# Altium PCB PCB1.PcbDoc (part 1 of 2)
Units mm, origin at the board's own origin, x right, y up, seen from the top; angles counter-clockwise.
Board outline 100.71 x 88.01 mm, 2 copper layers (Top Layer, Bottom Layer); 154 components, 136 nets, 563 pads, 342 vias.
Unrouted connection lines stored in the file: 128.
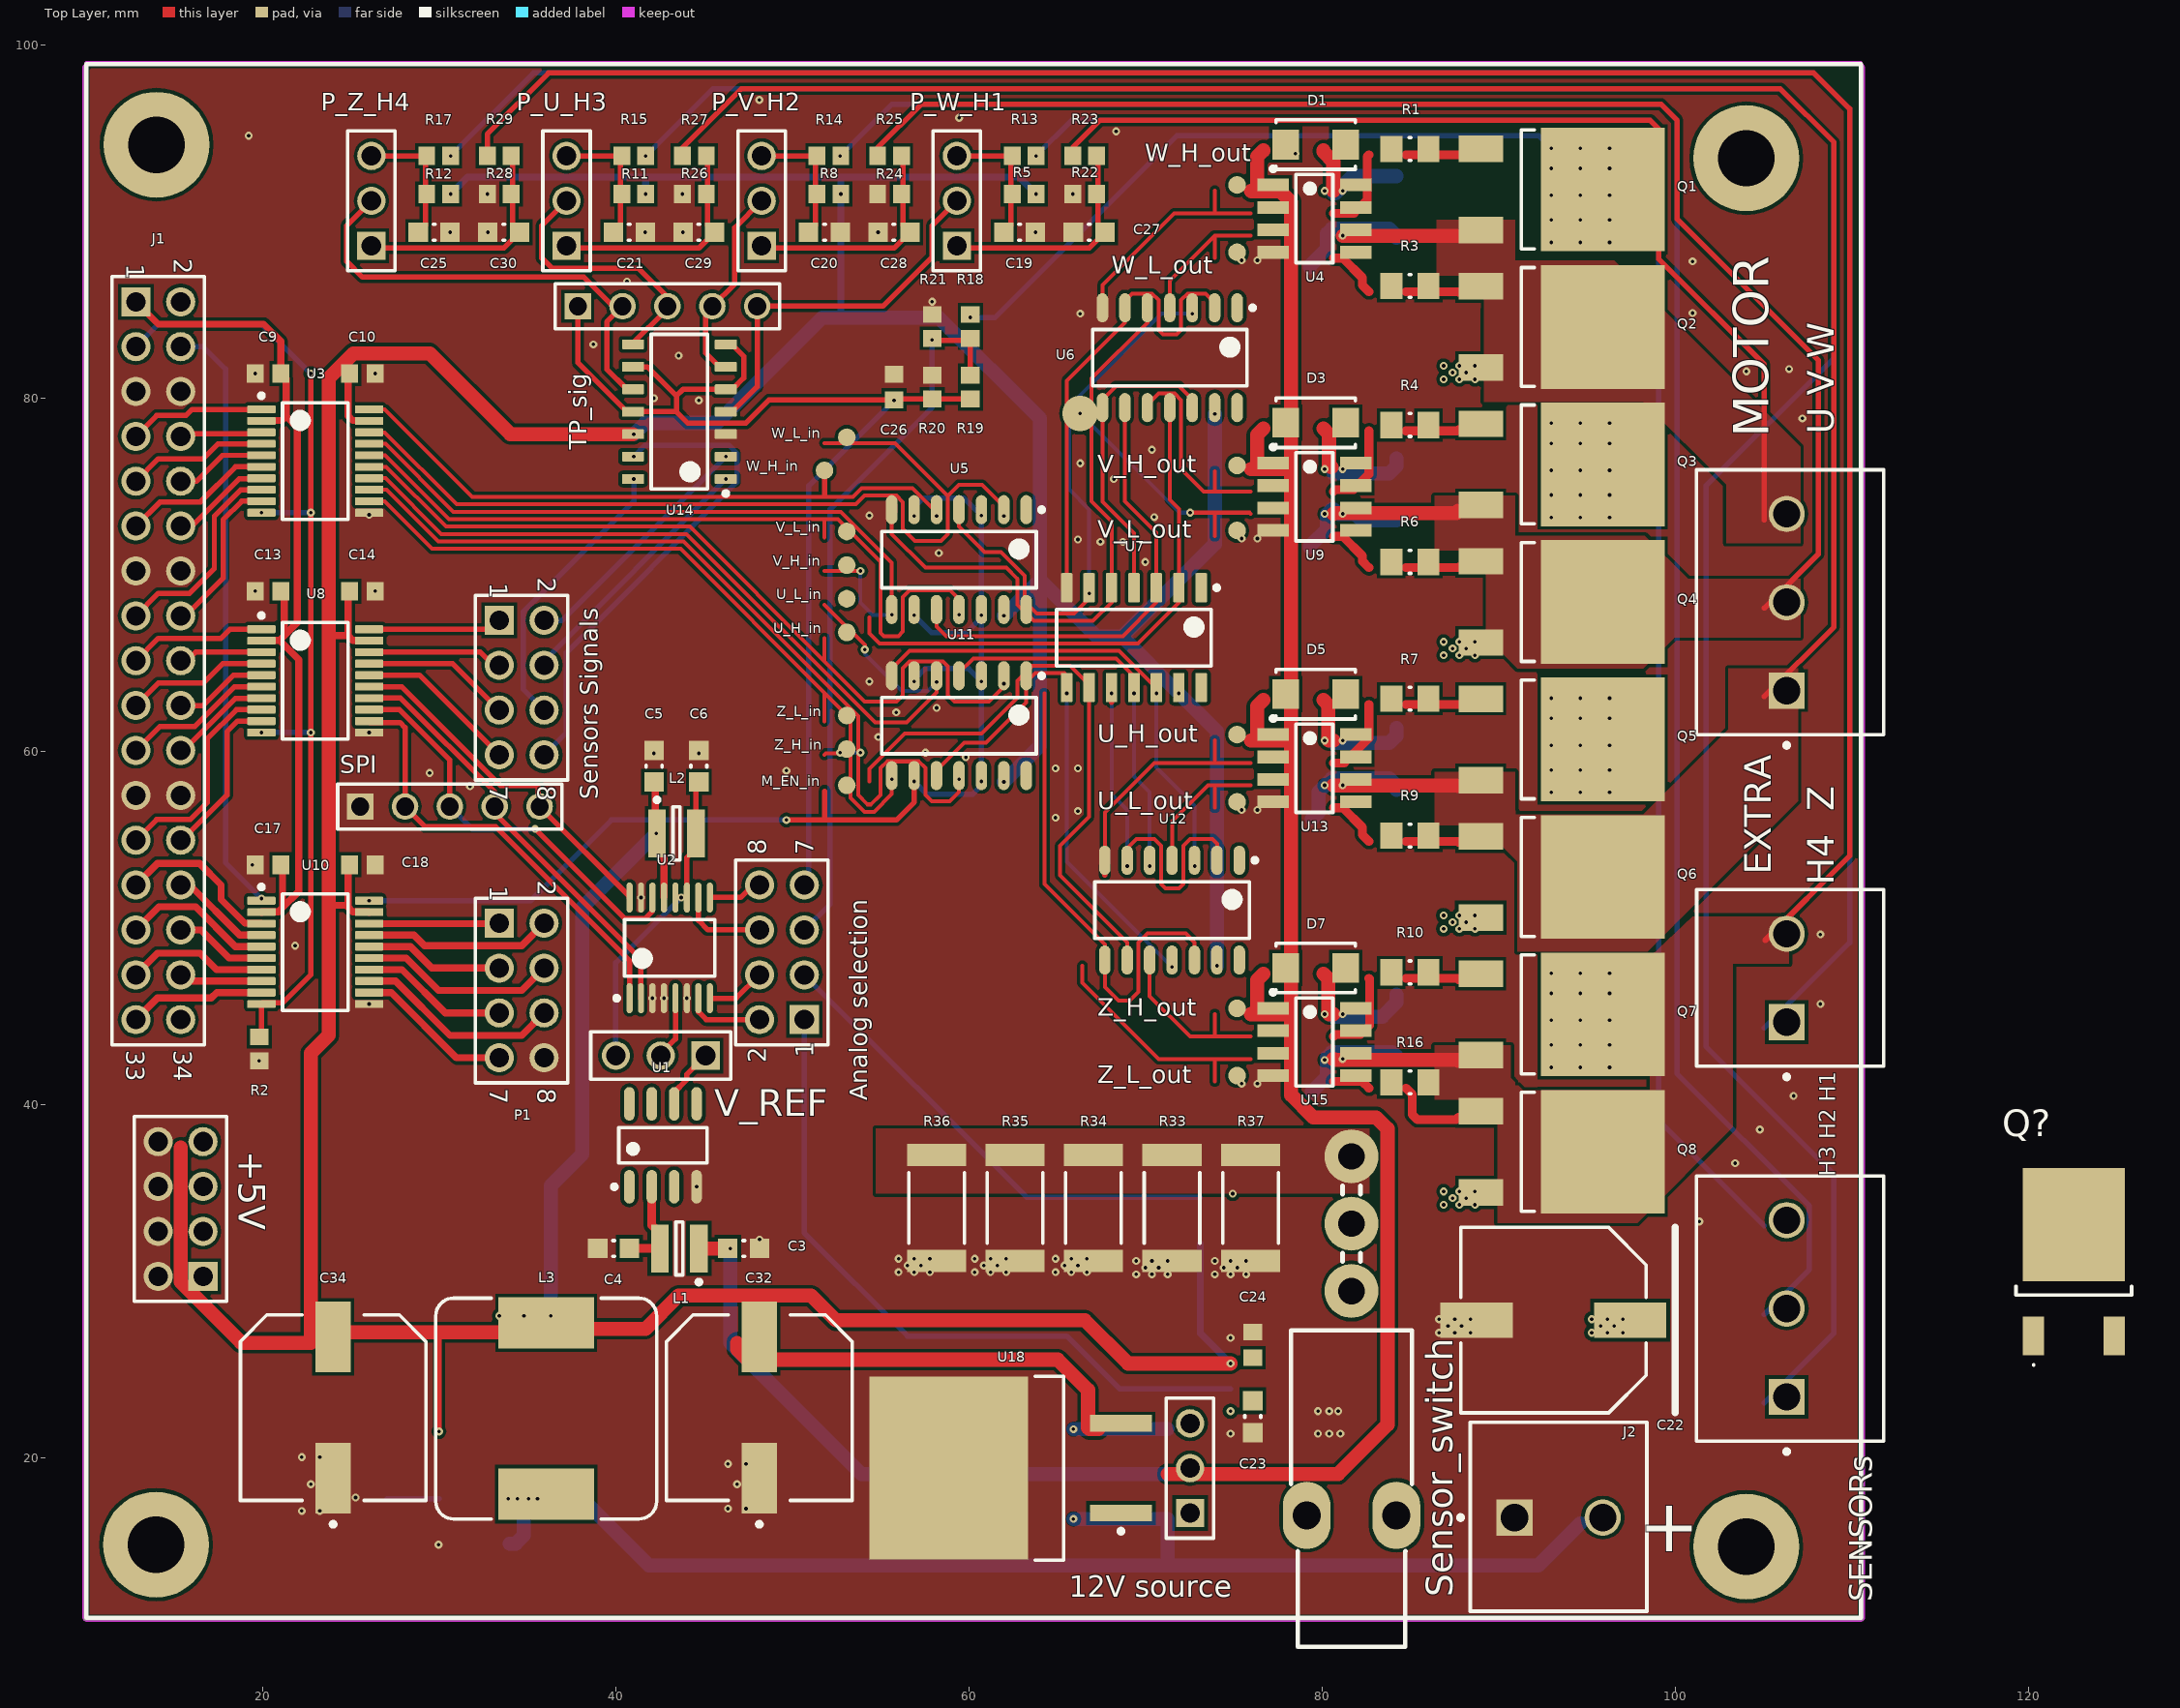
[diagram p0: Top Layer view]
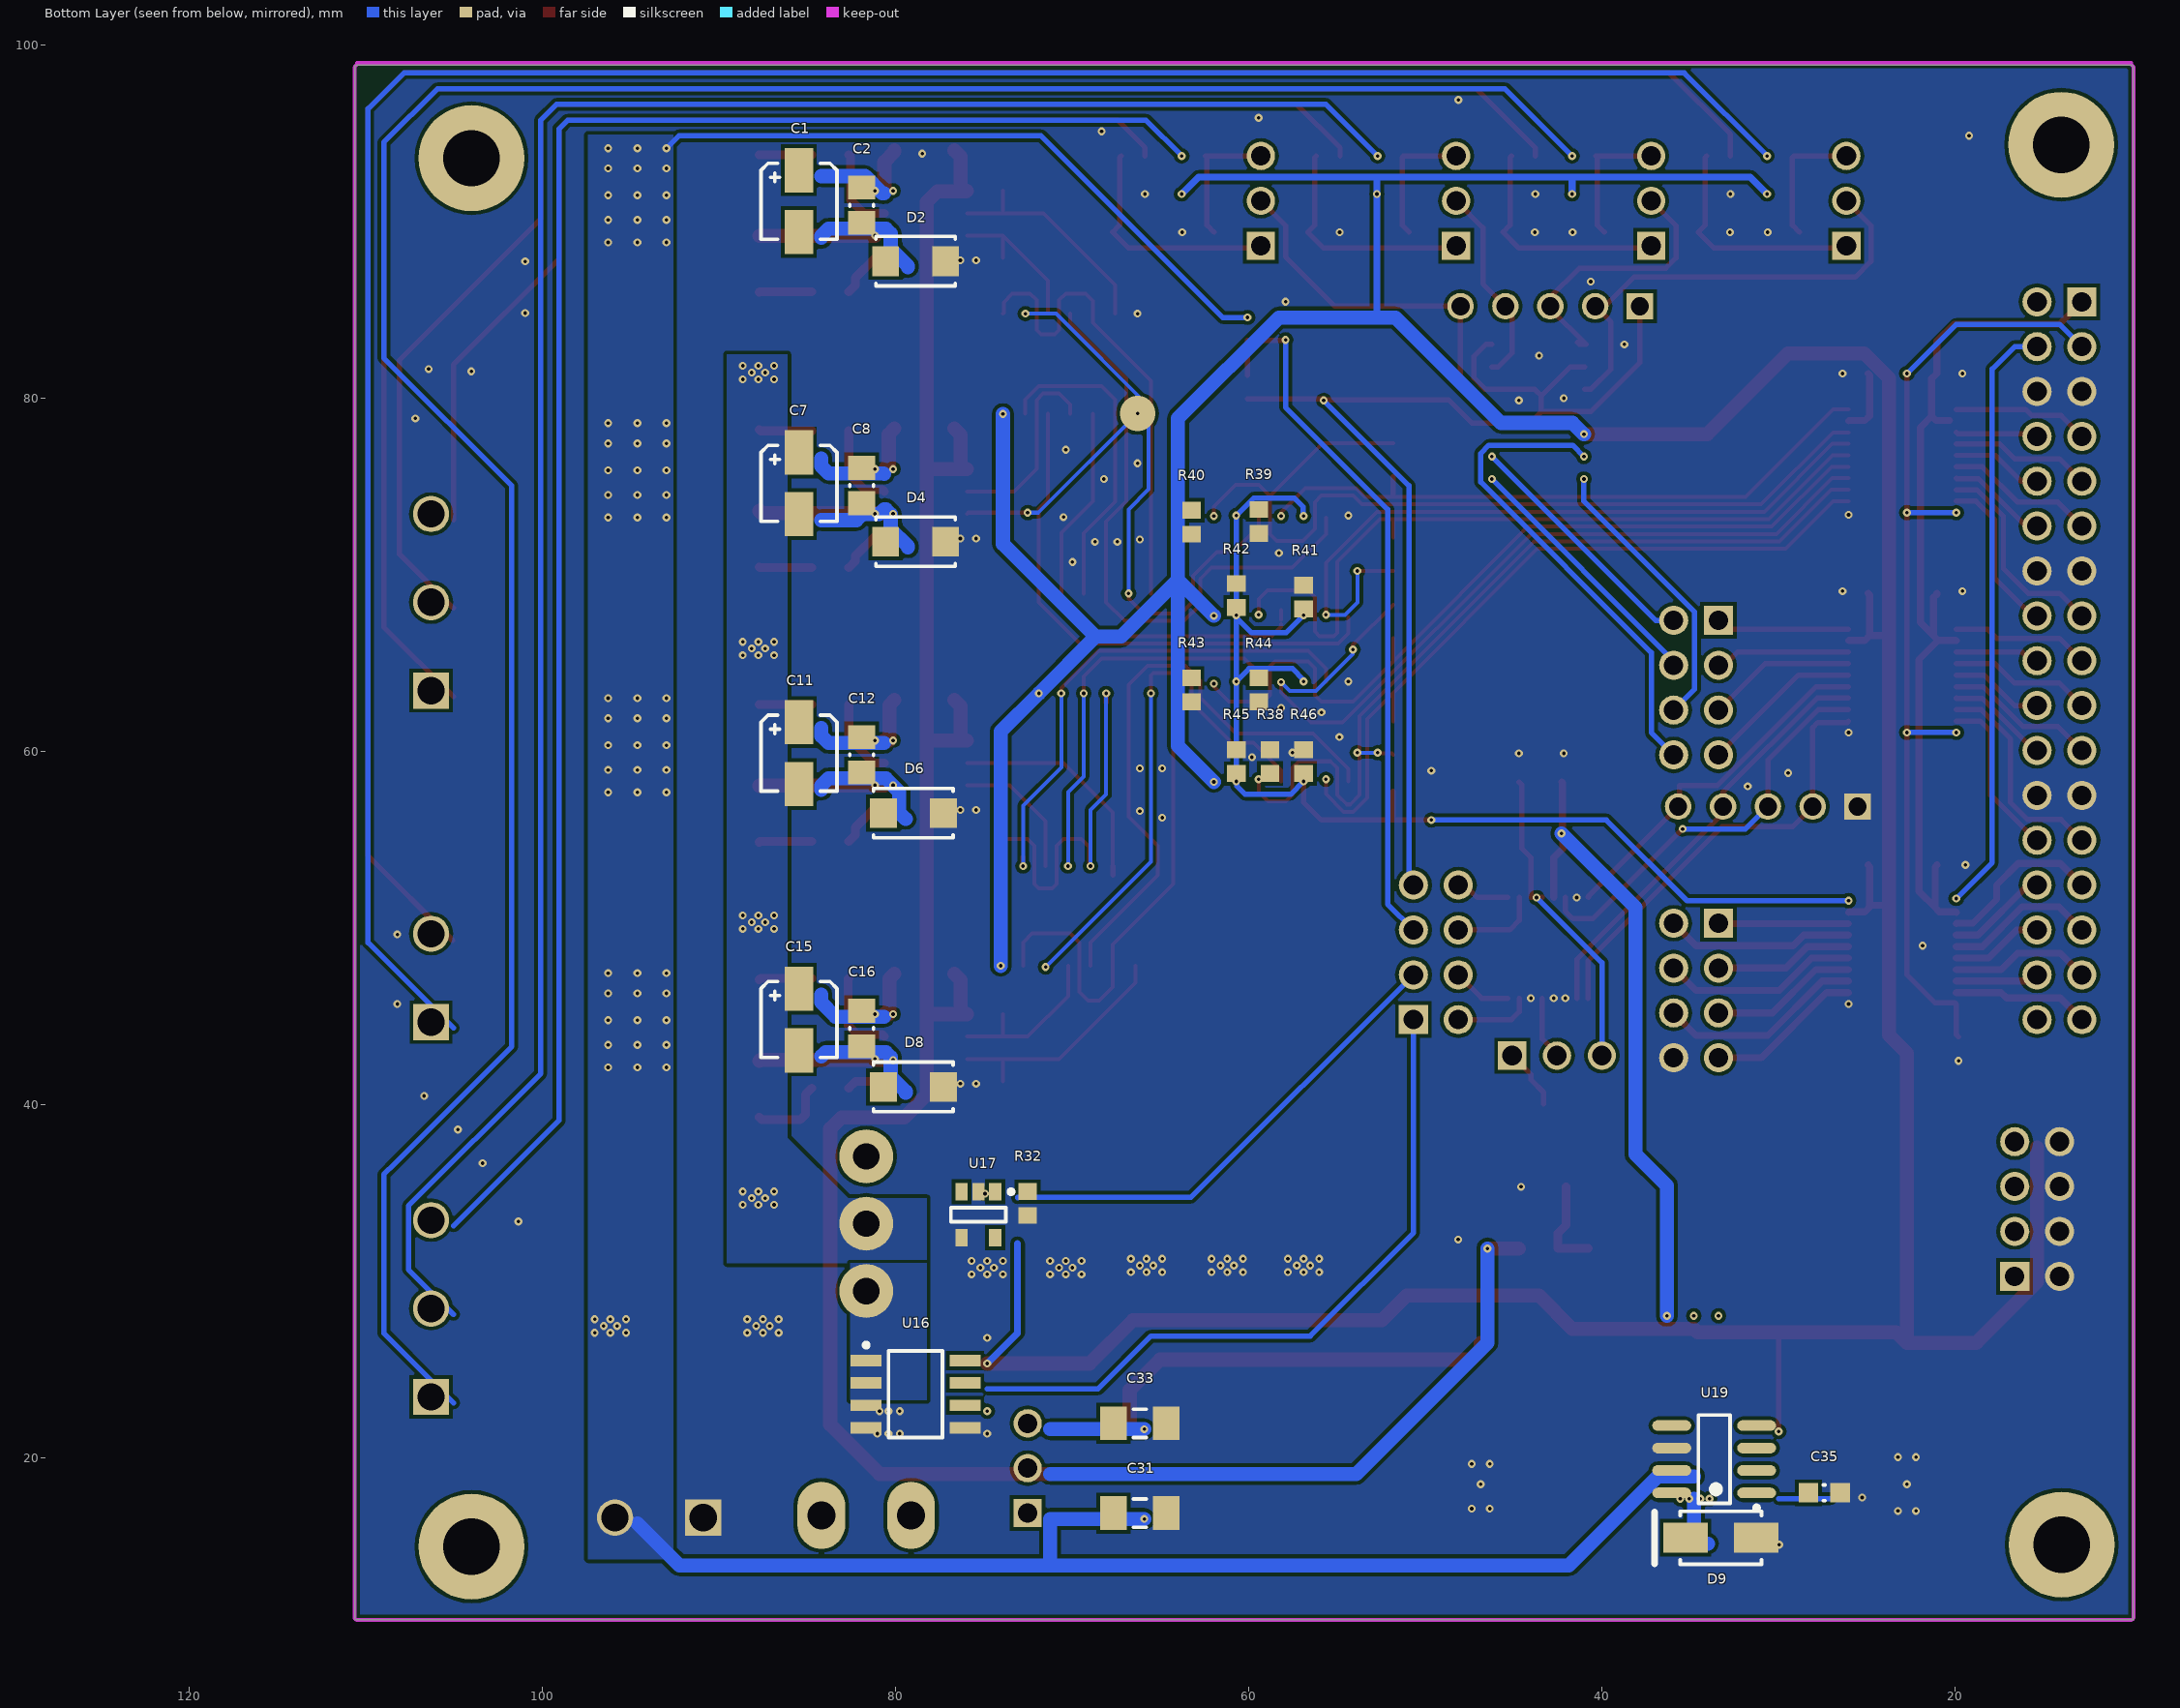
[diagram p1: Bottom Layer view, seen from below]

## Layer stack, top to bottom
Top Solder: solder mask 0.0102, Solder Resist, Dk 3.5
Top Layer: signal copper 0.0356
Dielectric 1: dielectric 0.32, FR-4, Dk 4.8
Bottom Layer: signal copper 0.0356
Bottom Solder: solder mask 0.0102, Solder Resist, Dk 3.5

## Board outline
9.906,10.98 9.906,98.737 cw(c10.033,98.737) 10.033,98.864 110.49,98.864 cw(c110.49,98.737) 110.617,98.737 110.617,10.98 cw(c110.49,10.98) 110.49,10.852 10.033,10.852 cw(c10.033,10.98)

## Design rules (kind name [scope] priority, off if disabled: settings)
Clearance [All] p1: gap=0.2 ignorepadtopadclearanceinfootprint=FALSE
PolygonConnect [All] p1: connectstyle=Direct reliefconductorwidth=0.254 reliefentries=4 polygonreliefangle="90 Angle" airgapwidth=0.254
RoomDefinition Designator_4 [InComponentClass('Designator')] p1: confinementstyle=ConfineIn formatcopy=TRUE lockcomponents=FALSE outline 111.76,12.446 120.904,12.446 120.904,28.067 111.76,28.067
RoomDefinition Designator_3 [InComponentClass('Designator')] p2: confinementstyle=ConfineIn formatcopy=TRUE lockcomponents=FALSE outline 111.76,12.446 120.904,12.446 120.904,28.067 111.76,28.067
RoomDefinition Designator_2 [InComponentClass('Designator')] p3: confinementstyle=ConfineIn formatcopy=TRUE lockcomponents=FALSE outline 111.76,12.446 120.904,12.446 120.904,28.067 111.76,28.067
RoomDefinition Designator_1 [InComponentClass('Designator')] p4: confinementstyle=ConfineIn formatcopy=TRUE lockcomponents=FALSE outline 113.024,12.777 122.168,12.777 122.168,28.398 113.024,28.398
RoomDefinition Designator [InComponentClass('Designator')] p5: confinementstyle=ConfineIn formatcopy=TRUE lockcomponents=FALSE outline 111.76,12.446 120.904,12.446 120.904,28.067 111.76,28.067
RoutingVias [All] p1: holewidth=0.2 width=0.45 viastyle="Through Hole" minholewidth=0.2 minwidth=0.45 maxholewidth=6.3 maxwidth=10
SolderMaskExpansion [All] p1: expansion=0.102 istentingtop=FALSE
Width [All] p1: maxlimit=5 minlimit=0.2 preferedwidth=0.3
30 further rules are at their usual default settings.

## Classes and differential pairs
component class Designator: C1 C2 C7 C8 C11 C12 C15 C16 C22 C23 C24 D1 D2 D3 D4 D5 D6 D7 D8 M_EN_in Q1 Q2 Q3 Q4 Q5 Q6 Q7 Q8 Q? R1 R3 R4 R6 R7 R9 R10 R16 R32 R33 R34 R35 R36 R37 R38 R39 R40 R41 R42 R43 R44 R45 R46 Sensor_switch U4 U5 U6 U7 U9 U11 U12 U13 U15 U16 U17 U_H_in U_H_out U_L_in U_L_out V_H_in V_H_out V_L_in V_L_out W_H_in W_H_out W_L_in W_L_out Z_H_in Z_H_out Z_L_in Z_L_out
component class Designator: "12V source" +5V C31 C32 C33 C34 C35 D9 EXTRA J2 L3 MOTOR SENSORs U18 U19

## Components (designator, comment, footprint, x,y, rotation, side; value= is the part's Value field where it differs from the comment)
"12V source" "61300311121" 61300311121 72.511,19.439 r90 top
+5V "61300821121" 61300821121 15.361,34.113 r90 top
"Analog selection" "61300821121" 61300821121 49.403,48.641 r90 top
C1 "EEE-FT1E220AR" PNSC-FT-V-43x43-2_V 85.465,91.166 r180 bottom
C2 "CAP 1uF 50V 0805(2012)" CAPC0805(2012)145_M 81.909,90.94 r90 bottom value=1uF
C3 "CAP 4.7uF 10V 0603(1608)" CAPC0603(1608)55_M 47.244,31.877 r180 top value=4.7uF
C4 "CAP 100nF 10V 0603(1608)" CAPC0603(1608)100_M 39.878,31.877 r0 top value=100nF
C5 "CAP 4.7uF 10V 0603(1608)" CAPC0603(1608)55_M 42.164,59.182 r270 top value=4.7uF
C6 "CAP 100nF 10V 0603(1608)" CAPC0603(1608)100_M 44.704,59.182 r270 top value=100nF
C7 "EEE-FT1E220AR" PNSC-FT-V-43x43-2_V 85.465,75.192 r180 bottom
C8 "CAP 1uF 50V 0805(2012)" CAPC0805(2012)145_M 81.909,75.065 r90 bottom value=1uF
C9 "GRM188R71H104KA93D" CAPC1608X90X35ML10T15 20.32,81.407 r0 top
C10 "GRM188R71H104KA93D" CAPC1608X90X35ML10T15 25.654,81.407 r180 top
C11 "EEE-FT1E220AR" PNSC-FT-V-43x43-2_V 85.465,59.924 r180 bottom
C12 "CAP 1uF 50V 0805(2012)" CAPC0805(2012)145_M 81.909,59.825 r90 bottom value=1uF
C13 "GRM188R71H104KA93D" CAPC1608X90X35ML10T15 20.32,69.088 r0 top
C14 "GRM188R71H104KA93D" CAPC1608X90X35ML10T15 25.654,69.088 r180 top
C15 "EEE-FT1E220AR" PNSC-FT-V-43x43-2_V 85.465,44.839 r180 bottom
C16 "CAP 1uF 50V 0805(2012)" CAPC0805(2012)145_M 81.909,44.331 r90 bottom value=1uF
C17 "GRM188R71H104KA93D" CAPC1608X90X35ML10T15 20.32,53.594 r0 top
C18 "GRM188R71H104KA93D" CAPC1608X90X35ML10T15 25.654,53.594 r180 top
C19 "CAP 470pF 25V 0603(1608)" CAPC0603(1608)100_M 62.865,89.408 r180 top value=470pF
C20 "CAP 470pF 25V 0603(1608)" CAPC0603(1608)100_M 51.816,89.408 r180 top value=470pF
C21 "CAP 470pF 25V 0603(1608)" CAPC0603(1608)100_M 40.767,89.408 r180 top value=470pF
C22 "EEEFP1E471AP" PNSC-FP-V-G_V 93.085,27.821 r180 top
C23 "CAP 1nF 16V 0603(1608)" CAPC0603(1608)100_M 76.067,22.36 r90 top value=1nF
C24 "GRM188R71H104KA93D" CAPC1608X90X35ML10T15 76.067,26.424 r270 top
C25 "CAP 470pF 25V 0603(1608)" CAPC0603(1608)100_M 29.718,89.408 r180 top value=470pF
C26 "GRM188R71H104KA93D" CAPC1608X90X35ML10T15 55.753,80.645 r270 top
C27 "CAP 470pF 25V 0603(1608)" CAPC0603(1608)100_M 66.802,89.408 r0 top value=470pF
C28 "CAP 470pF 25V 0603(1608)" CAPC0603(1608)100_M 55.753,89.408 r0 top value=470pF
C29 "CAP 470pF 25V 0603(1608)" CAPC0603(1608)100_M 44.704,89.408 r0 top value=470pF
C30 "CAP 470pF 25V 0603(1608)" CAPC0603(1608)100_M 33.655,89.408 r0 top value=470pF
C31 "C1206C334M3VACTU" FP-C1206C-EB-IPC_A 66.161,16.899 r180 bottom value="0.33 μF"
C32 "PCR1J101MCL1GS" FP-PCR1J101MCL1GS-MFG 48.127,22.868 r90 top value=100uF
C33 "C1206C104KARACTU" FP-C1206C-EB-IPC_A 66.161,21.979 r180 bottom value="0.10 μF"
C34 "PCR1J101MCL1GS" FP-PCR1J101MCL1GS-MFG 23.997,22.868 r90 top value=100uF
C35 "CAP 1nF 16V 0603(1608)" CAPC0603(1608)100_M 27.415,18.042 r0 bottom value=10nF
D1 "GS1G" VISH-DO-214AC_V 79.623,94.369 r0 top
D2 "GS1G" VISH-DO-214AC_V 78.861,87.765 r0 bottom
D3 "GS1G" VISH-DO-214AC_V 79.623,78.621 r0 top
D4 "GS1G" VISH-DO-214AC_V 78.861,71.89 r0 bottom
D5 "GS1G" VISH-DO-214AC_V 79.623,63.254 r0 top
D6 "GS1G" VISH-DO-214AC_V 78.988,56.523 r0 bottom
D7 "GS1G" VISH-DO-214AC_V 79.623,47.76 r0 top
D8 "GS1G" VISH-DO-214AC_V 78.988,41.029 r0 bottom
D9 "B340A-13-F" DIOD-SMA-2_V 33.268,15.502 r0 bottom
EXTRA "SCREW-5.0/5.08 2WAYS" SCREW-5.0-2WAYS_V 106.293,47.194 r90 top
J1 "61303421121" 61303421121 14.097,65.151 r270 top
J2 "DG126-02" CXKF-KF129C-2_V 90.879,16.645 r0 top
L1 "CM311411-101KL" BOUR-SRN3015-2_V 43.604,31.877 r180 top
L2 "CM311411-101KL" BOUR-SRN3015-2_V 43.434,55.372 r0 top
L3 "SRR1208-470YL" BOUR-SRR1280-2_V 36.062,22.816 r90 top
M_EN_in "TP-SM-C-100" TP-SM-C-100 53.08,58.101 r90 top
MOTOR "SCREW-5.0/5.08 3WAYS" SCREW-5.0-3WAYS_V 106.293,68.461 r90 top
P1 "61300821121" 61300821121 34.671,46.482 r270 top
P_U_H3 "61300311121" 61300311121 37.211,91.186 r90 top
P_V_H2 "61300311121" 61300311121 48.26,91.186 r90 top
P_W_H1 "61300311121" 61300311121 59.309,91.186 r90 top
P_Z_H4 "61300311121" 61300311121 26.162,91.186 r90 top
Q1 "IRLR2705PBF" FP-PG-TO252-3-MFG 93.554,91.828 r270 top
Q2 "IRLR2705PBF" FP-PG-TO252-3-MFG 93.554,84.045 r270 top
Q3 "IRLR2705PBF" FP-PG-TO252-3-MFG 93.554,76.262 r270 top
Q4 "IRLR2705PBF" FP-PG-TO252-3-MFG 93.554,68.479 r270 top
Q5 "IRLR2705PBF" FP-PG-TO252-3-MFG 93.554,60.695 r270 top
Q6 "IRLR2705PBF" FP-PG-TO252-3-MFG 93.554,52.912 r270 top
Q7 "IRLR2705PBF" FP-PG-TO252-3-MFG 93.554,45.129 r270 top
Q8 "IRLR2705PBF" FP-PG-TO252-3-MFG 93.554,37.346 r270 top
Q? "IRLR2705PBF" IRLR2705PBF 122.549,31.124 r0 top
R1 "20R 1% 0805(2012)" RESC0805(2012)_M 84.957,94.115 r180 top value=20
R2 "RMCF0603FT10K0" RESC1608X55X30ML15T20 19.812,43.18 r90 top
R3 "20R 1% 0805(2012)" RESC0805(2012)_M 84.957,86.368 r180 top value=20
R4 "20R 1% 0805(2012)" RESC0805(2012)_M 84.957,78.494 r180 top value=20
R5 "RMCF0603FT10K0" RESC1608X55X30ML15T20 63.119,91.567 r0 top
R6 "20R 1% 0805(2012)" RESC0805(2012)_M 84.957,70.747 r180 top value=20
R7 "20R 1% 0805(2012)" RESC0805(2012)_M 84.957,63 r180 top value=20
R8 "RMCF0603FT10K0" RESC1608X55X30ML15T20 52.07,91.567 r0 top
R9 "20R 1% 0805(2012)" RESC0805(2012)_M 84.957,55.253 r180 top value=20
R10 "20R 1% 0805(2012)" RESC0805(2012)_M 84.957,47.506 r180 top value=20
R11 "RMCF0603FT10K0" RESC1608X55X30ML15T20 41.021,91.567 r0 top
R12 "RMCF0603FT10K0" RESC1608X55X30ML15T20 29.972,91.567 r0 top
R13 "RMCF0603FT10K0" RESC1608X55X30ML15T20 63.119,93.726 r0 top
R14 "RMCF0603FT10K0" RESC1608X55X30ML15T20 52.07,93.726 r0 top
R15 "RMCF0603FT10K0" RESC1608X55X30ML15T20 41.021,93.726 r0 top
R16 "20R 1% 0805(2012)" RESC0805(2012)_M 84.957,41.283 r180 top value=20
R17 "RMCF0603FT10K0" RESC1608X55X30ML15T20 29.972,93.726 r0 top
R18 "RMCF0603FT10K0" RESC1608X55X30ML15T20 60.071,84.074 r90 top
R19 "RMCF0603FT10K0" RESC1608X55X30ML15T20 60.071,80.645 r90 top
R20 "RMCF0603FT10K0" RESC1608X55X30ML15T20 57.912,80.645 r270 top
R21 "RMCF0603FT10K0" RESC1608X55X30ML15T20 57.912,84.074 r270 top
R22 "RMCF0603FT10K0" RESC1608X55X30ML15T20 66.548,91.567 r0 top
R23 "RMCF0603FT10K0" RESC1608X55X30ML15T20 66.548,93.726 r180 top
R24 "RMCF0603FT10K0" RESC1608X55X30ML15T20 55.499,91.567 r0 top
R25 "RMCF0603FT10K0" RESC1608X55X30ML15T20 55.499,93.726 r180 top
R26 "RMCF0603FT10K0" RESC1608X55X30ML15T20 44.45,91.567 r0 top
R27 "RMCF0603FT10K0" RESC1608X55X30ML15T20 44.45,93.726 r180 top
R28 "RMCF0603FT10K0" RESC1608X55X30ML15T20 33.401,91.567 r0 top
R29 "RMCF0603FT10K0" RESC1608X55X30ML15T20 33.401,93.726 r180 top
R32 "RMCF0603FT10K0" RESC1608X55X30ML15T20 72.511,34.425 r90 bottom
R33 "1R 5% 2512(6432)" RESC2512(6432)_N 71.495,34.171 r270 top value="1.00 Ohm"
R34 "1R 5% 2512(6432)" RESC2512(6432)_N 67.05,34.171 r270 top value="1.00 Ohm"
R35 "1R 5% 2512(6432)" RESC2512(6432)_N 62.605,34.171 r270 top value="1.00 Ohm"
R36 "1R 5% 2512(6432)" RESC2512(6432)_N 58.16,34.171 r270 top value="1.00 Ohm"
R37 "1R 5% 2512(6432)" RESC2512(6432)_N 75.94,34.171 r270 top value="1.00 Ohm"
R38 "RMCF0603FT10K0" RESC1608X55X30ML15T20 58.795,59.444 r270 bottom
R39 "RMCF0603FT10K0" RESC1608X55X30ML15T20 59.43,73.033 r90 bottom
R40 "RMCF0603FT10K0" RESC1608X55X30ML15T20 63.24,72.993 r90 bottom
R41 "RMCF0603FT10K0" RESC1608X55X30ML15T20 56.89,68.755 r270 bottom
R42 "RMCF0603FT10K0" RESC1608X55X30ML15T20 60.7,68.842 r270 bottom
R43 "RMCF0603FT10K0" RESC1608X55X30ML15T20 63.24,63.508 r90 bottom
R44 "RMCF0603FT10K0" RESC1608X55X30ML15T20 59.43,63.508 r90 bottom
R45 "RMCF0603FT10K0" RESC1608X55X30ML15T20 60.7,59.444 r270 bottom
R46 "RMCF0603FT10K0" RESC1608X55X30ML15T20 56.89,59.444 r270 bottom
Sensor_switch "MTS-103-C4" SALE-T8019L-5_V 81.655,9.329 r0 top
SENSORs "SCREW-5.0/5.08 3WAYS" SCREW-5.0-3WAYS_V 106.293,28.478 r90 top
"Sensors Signals" "61300821121" 61300821121 34.671,63.627 r270 top